# Altium PCB MCH_MAIN.PCBDOC (part 14 of 14)
Units mil, origin at the board's own origin, x right, y up, seen from the top; angles counter-clockwise.
Board outline 7110.66 x 2894.12 mil, 6 copper layers (Top Layer, Power, MidLayer1, MidLayer4, GND, Bottom Layer), stack 61.549 mil thick; 630 components, 1085 nets, 3940 pads, 2676 vias.
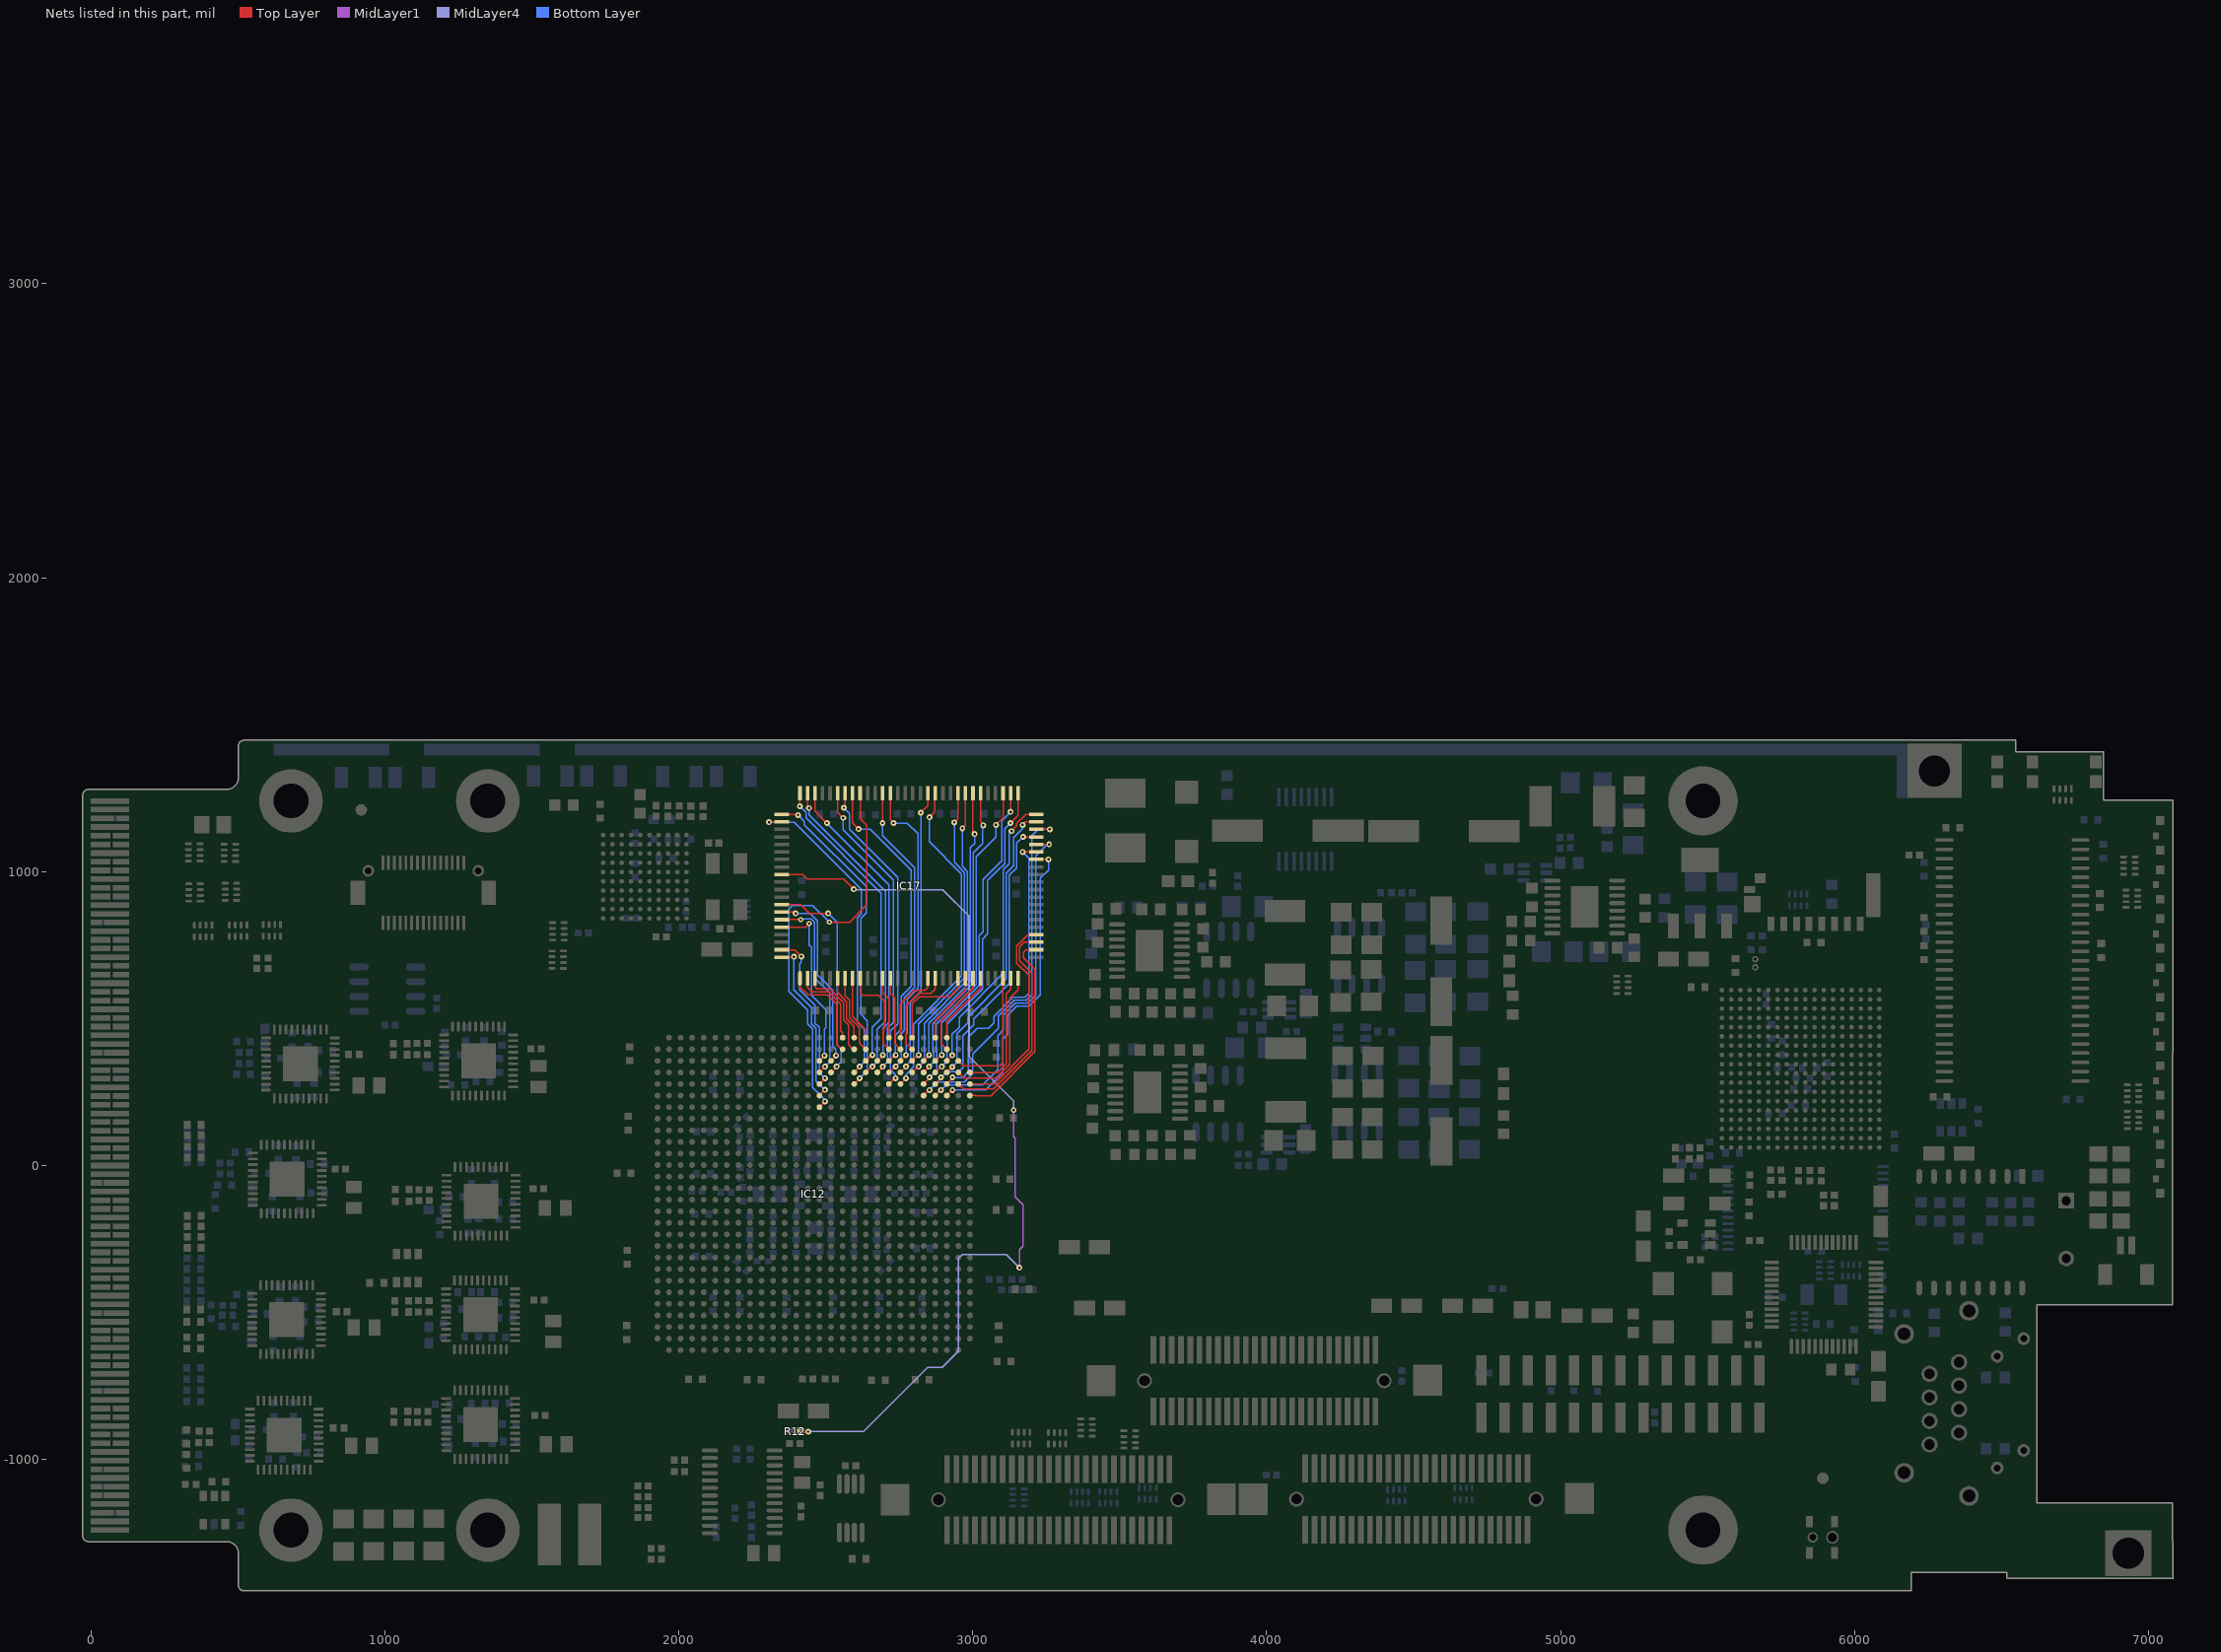
[diagram p18: the nets of this part, all layers, seen from the top]

## Via types
v1: diameter 20, hole 8, Top Layer to Bottom Layer, tented both sides, 1658 vias
v2: diameter 18, hole 8, Top Layer to Bottom Layer, tented both sides, 580 vias
v3: diameter 24, hole 10, Top Layer to Bottom Layer, tented both sides, 438 vias

## Nets (pads, with @x,y where several pads share a name; then routed paths per layer and width w, separated by ;. In a path a pad name is that pad's centre, name@x,y a point inside that pad or via, vN(x,y) a via of type N, cw(c..) or ccw(c..) an arc to the next point about the centre after c; other vN are vias at no path point) (continued)
ZBT_A3: IC12.E28 IC17.34 | length 701.1
  Top Layer w5: IC12.E28@2990.54,277.32 3007.8,277.32 ; 3007.88,277.24 3073.14,277.24 3191.5,395.6 3191.5,647.4 3150,688.9 3150,747.48 3187.64,785.12 3216.26,785.12 IC17.34@3216.47,785.33
ZBT_A4: IC12.E27 IC17.33 | length 744.4
  Top Layer w5: IC12.E27@2951.17,277.32 2951.17,277.16 2968.35,259.98 3070.02,259.98 3201.5,391.46 3201.5,654.21 3160,695.71 3160,743.34 3176.4,759.74 IC17.33@3216.47,759.74
ZBT_A5: IC12.F28 IC17.32 | length 686.9
  Top Layer w5: IC12.F28@2990.54,237.95 3010.06,237.95 3010.14,237.87 ; 3007.88,237.87 3010.14,237.87 ; IC17.32@3216.47,734.15 3182,734.15 3172.6,724.75 3172.6,706.9 3212,667.5 3212,387.82 3062.06,237.87 3010.14,237.87
ZBT_A6: IC12.F15 IC17.100 | length 565.1
  Top Layer w5: IC17.100@2350.32,708.56 2390.28,708.56 2391.81,710.09 v1(2391.81,710.31) ; IC12.F15@2478.73,237.95 v1@2497.35,256.57
  Bottom Layer w5: v1(2391.81,710.31) 2392.03,710.09 2392.03,596.97 2451.82,537.18 2451.82,482.02 2466.84,467.01 2466.84,288.07 v1(2497.35,257.56)
ZBT_A7: IC12.E15 IC17.99 | length 559.1
  Top Layer w5: IC17.99@2350.32,734.15 2394.98,734.15 2416.81,712.32 v1(2416.81,711.15) ; IC12.E15@2478.73,277.32 v1@2497.35,295.94
  Bottom Layer w5: v1(2416.81,711.15) 2416.81,712.32 2416.81,691.57 2411.72,686.48 2411.72,597.9 2464.29,545.33 2464.29,483.69 2478.65,469.34 2478.65,452.44 ; 2478.65,450.47 2478.65,452.44 ; v1(2497.35,296.93) 2478.65,315.63 2478.65,452.44
ZBT_A8: IC12.D18 IC17.82 | length 1105.4
  Top Layer w5: v1(2307,1167.9) 2308.29,1169.19 IC17.82@2350.32,1169.19 ; IC12.D18@2596.84,316.69 v1@2615.46,335.31
  Bottom Layer w5: v1(2307,1167.9) 2393.11,1167.9 2621.2,939.81 2621.2,856.64 2607,842.44 2607,489.08 2631.96,464.12 2631.96,352.8 v1(2615.46,336.3)
ZBT_A9: IC12.E18 IC17.81 | length 1125.3
  Top Layer w5: IC17.81@2350.32,1194.78 2403.63,1194.78 v1(2405.81,1192.6) ; v1@2612.51,292.99 IC12.E18@2596.84,277.32 v1@2615.46,295.94
  Bottom Layer w5: v1(2405.81,1192.6) 2427.45,1170.95 2427.45,1160.05 2638.6,948.9 2638.6,859.9 2619.3,840.6 2619.3,515.3 2641.96,492.64 2641.96,323.43 v1(2615.46,296.93)
ZBT_A10: IC12.F26 IC17.44 | length 1099.8
  Top Layer w5: v1@2927.2,253.35 IC12.F26@2911.8,237.95 v1@2930.42,256.57 ; IC17.44@3216.47,1041.23 v1(3257.96,1041.23)
  Bottom Layer w5: v1(2931.4,256.57) 3043.47,256.57 3102.75,315.85 3102.75,396.9 3102.75,399.9 3102.75,430.65 3119,446.9 3119,512.47 3148.93,542.4 3190.93,542.4 3230.1,581.57 3230.1,977.8 3257.96,1005.66 v1(3257.96,1041.23)
ZBT_A11: IC12.E26 IC17.45 | length 1025.7
  Top Layer w5: IC12.E26@2911.8,277.32 v1@2931.4,296.93 ; v1(3169.8,1066.82) IC17.45@3216.47,1066.82
  Bottom Layer w5: v1(2931.4,299.88) 2965.85,299.88 2984.55,318.58 2984.55,436.45 3015,466.9 3054,466.9 3071.5,484.4 3071.5,507.4 3136.5,572.4 3178.5,572.4 3191.5,585.4 3191.5,918.4 3191.09,918.81 3191.09,1045.54 3189.06,1047.57 v1(3169.8,1066.82)
ZBT_A12: IC12.F25 IC17.46 | length 1181.8
  Top Layer w5: v1@2888.1,253.62 IC12.F25@2872.43,237.95 v1@2891.05,256.57 ; IC17.46@3216.47,1092.41 v1(3259.93,1092.41)
  Bottom Layer w5: v1(2892.03,256.57) 2909.84,274.38 3034.28,274.38 3085.45,325.55 3085.45,402.9 3085.45,405.35 3085.45,442.35 3104,460.9 3104,511.62 3144.78,552.4 3186.78,552.4 3213.9,579.52 3213.9,1053.4 3252.91,1092.41 v1(3259.93,1092.41)
ZBT_A13: IC12.E25 IC17.47 | length 1041.3
  Top Layer w5: IC12.E25@2872.43,277.32 v1@2892.03,296.93 ; v1@2891.76,300.46 2893.02,301.71 v1@2893.02,305.78 ; v1(3171.35,1118.01) IC17.47@3216.47,1118.01
  Bottom Layer w5: v1@2892.03,296.93 v1(2892.03,299.88) 2910.97,318.81 2953.29,318.81 ; 2954.04,319.56 2953.29,318.81 ; v1(3171.35,1118.01) 3149.91,1096.56 3149.91,1012.49 3124.82,987.4 3124.82,619.32 3004.09,498.59 3004.09,479.01 2966.84,441.75 2966.84,332.36 2953.29,318.81
ZBT_A14: IC12.F24 IC17.48 | length 1254.8
  Top Layer w5: v1@2848.73,253.62 IC12.F24@2833.06,237.95 v1@2851.68,256.57 ; IC17.48@3216.47,1143.6 v1(3261.9,1143.6)
  Bottom Layer w5: v1(2852.66,256.57) 2879.47,283.38 2938.24,283.38 2938.99,284.13 2953.06,284.13 ; 2956.01,284.13 2953.06,284.13 ; v1(3261.9,1143.6) 3222.95,1143.6 3201.09,1121.73 3201.09,922.95 3201.5,922.54 3201.5,581.26 3182.64,562.4 3140.64,562.4 3087.15,508.91 3087.15,466.75 3000.3,379.9 3000.3,312.67 2971.76,284.13 2953.06,284.13
ZBT_A15: IC12.D26 IC17.49 | length 1022.4
  Top Layer w5: v1@2927.47,331.38 2911.8,315.71 v1@2930.42,334.33 ; v1(3169.59,1159.13) 3179.65,1169.19 IC17.49@3216.47,1169.19
  Bottom Layer w5: v1(2930.42,335.31) 2946.92,351.81 2946.92,448.75 2983,484.83 2983,504.3 3114.82,636.12 3114.82,810.28 3114.82,994.22 3139.91,1019.3 3139.91,1115.67 3169.59,1145.35 v1(3169.59,1159.13)
ZBT_A16: IC12.C26 IC17.50 | length 1007.8
  Top Layer w5: v1@2927.2,370.48 2911.8,355.08 v1@2930.42,373.7 ; v1(3132.19,1137.48) 3149.91,1155.19 3149.91,1164.19 3180.49,1194.78 IC17.50@3216.47,1194.78
  Bottom Layer w5: v1(2930.42,374.68) 2930.42,446.39 2954.86,470.84 2954.86,504.36 3104.82,654.32 3104.82,1007.1 3124.82,1027.1 3124.82,1130.11 v1(3132.19,1137.48)
ZBT_BW1: IC12.D16 IC17.93 | length 745.7
  Top Layer w5: IC17.93@2350.32,887.69 2415.44,887.69 2445.13,858 v1(2508.2,858) ; IC12.D16@2518.1,316.69 v1@2536.72,335.31
  Bottom Layer w5: v1@2508.8,857.4 2539.7,826.5 2539.7,409.1 2553.22,395.58 2553.22,379.6 ; v1(2536.72,336.3) 2553.22,352.8 2553.22,379.6 ; 2553.22,382.5 2553.22,379.6
ZBT_BW2: IC12.C16 IC17.94 | length 653.7
  Top Layer w5: IC17.94@2350.32,862.1 2393.79,862.1 v1(2397.94,857.95) ; IC12.C16@2517.03,356.97 IC12.C16@2517.03,360.21 ; IC12.C16@2518.1,356.06 v1@2536.72,374.68
  Bottom Layer w5: v1(2397.94,857.95) 2447.15,857.95 2472.5,832.6 2472.5,647.6 2484.6,635.5 ; 2482.1,638 2484.6,635.5 ; v1@2536.72,375.82 v1(2535.31,374.41) 2534.59,375.14 2534.59,396 2524.68,405.91 2524.68,595.42 2488.1,632 2484.6,635.5
ZBT_BW3: IC12.D15 IC17.95 | length 663.8
  Top Layer w5: IC17.95@2350.32,836.51 v2(2415.44,836.51) ; IC12.D15@2478.73,316.69 v1@2497.35,335.31
  Bottom Layer w5: v2(2415.44,836.51) 2418.33,839.4 2450.83,839.4 2462.5,827.73 2462.5,816.92 2462.5,638.3 2513.5,587.3 2513.5,352.45 v1(2497.35,336.3)
ZBT_BW4: IC12.C15 IC17.96 | length 644.4
  Top Layer w5: 2390.28,810.92 IC17.96@2350.32,810.92 2432.02,810.92 v2(2444,822.9) ; IC12.C15@2477.66,356.97 IC12.C15@2477.66,360.21 ; IC12.C15@2478.73,356.06 v1@2497.35,374.68
  Bottom Layer w5: v2(2444,822.9) 2443,821.9 2443,810.9 2443,750.9 2451,742.9 2451,579.5 2500.08,530.42 2500.08,467.97 2495.94,463.83 v1(2495.94,374.41) v1@2497.35,375.82
ZBT_CLK: IC17.89 R12.2 | length 3173.2
  Top Layer w6: IC17.89@2350.32,990.05 2420.95,990.05 2436.4,974.6 2561.1,974.6 v1(2595.8,939.9) ; R12.2@2413.72,-904.1 2415.42,-905.8 v1(2440.2,-905.8)
  MidLayer1 w6: v2(3139,188.9) 3139,97.9 3144,92.9 3144,-107.1 3171,-134.1 3171,-274.1 3159.18,-285.92 v1(3159.18,-347.79)
  MidLayer4 w6: v1(2440.2,-905.8) 2441.1,-904.9 2628.7,-904.9 2846.8,-686.8 2896.5,-686.8 2951.6,-631.7 2951.6,-315.1 2964.2,-302.5 3113.89,-302.5 v1(3159.18,-347.79) ; v1(2595.8,939.9) 2597.9,937.8 2898.1,937.8 2987.5,848.4 2987.5,370.84 3139,219.34 v2(3139,188.9)
ZBT_IO0: IC12.C25 IC17.52 | length 1024.4
  Top Layer w5: IC12.C25@2872.43,356.06 2892.03,375.67 v1(2894.99,375.67) ; v1(3128.87,1203.05) IC17.52@3128.87,1266.63
  Bottom Layer w5: v1(2894.99,375.67) 2894.99,484.92 3022,611.93 3022,781.3 3035.8,795.1 3035.8,973.84 3098.57,1036.61 3098.57,1172.75 v1(3128.87,1203.05) ; v1@2895.56,375.4 2896.82,376.65 v1@2900.89,376.65
ZBT_IO1: IC12.E24 IC17.53 | length 1117.5
  Top Layer w5: IC12.E24@2833.06,277.32 v1@2852.66,296.93 ; v1@2852.39,300.46 2853.65,301.71 v1@2853.65,305.78 ; v1(3079.04,1159.13) 3103.28,1183.37 IC17.53@3103.28,1266.63
  Bottom Layer w5: v1@2852.66,296.93 v1(2852.66,299.88) 2877.18,324.39 2877.18,386.23 2875.3,388.11 2875.3,417.01 ; 2875.3,425.86 2875.3,417.01 ; v1(3079.04,1159.13) 3079.04,1116.94 3012,1049.9 3012,616.08 2875.3,479.38 2875.3,417.01
ZBT_IO2: IC12.D24 IC17.56 | length 1062.8
  Top Layer w5: v1@2848.73,332.36 IC12.D24@2833.06,316.69 v1@2851.68,335.31 ; IC17.56@3026.51,1266.63 3026.51,1170.33 3035.73,1161.1 v1(3035.73,1157.16)
  Bottom Layer w5: v1(2851.68,336.3) 2868.18,352.8 2868.18,382.5 2863.49,387.19 2863.49,481.71 3002,620.22 3002,1008.73 3002,1063.9 3034.24,1096.14 3034.24,1155.66 v1(3035.73,1157.16)
ZBT_IO3: IC12.C24 IC17.57 | length 1005.3
  Top Layer w5: v1@2848.46,371.46 IC12.C24@2833.06,356.06 v1@2851.68,374.68 ; IC17.57@3000.92,1266.63 3000.92,1132.93 v1(3006.21,1127.64)
  Bottom Layer w5: v1(2851.68,375.67) 2851.68,484.04 2992,624.36 2992,991.9 2992,1081.9 3006,1095.9 3006,1127.43 v1(3006.21,1127.64)
ZBT_IO4: IC12.D23 IC17.58 | length 1049.9
  Top Layer w5: IC12.D23@2793.69,316.69 2813.29,336.3 v1(2816.25,336.3) ; v1(2964.87,1147.32) 2975.32,1157.78 IC17.58@2975.32,1266.63
  Bottom Layer w5: v1(2816.25,336.3) 2834.95,355 2834.95,422.91 ; v1@2816.82,336.03 2818.08,337.28 v1@2822.15,337.28 ; 2834.95,425.86 2834.95,422.91 ; v1(2964.87,1147.32) 2964.87,1017.58 2982,1000.45 2982,630.99 2834.95,483.93 2834.95,422.91
ZBT_IO5: IC12.C23 IC17.59 | length 1011.5
  Top Layer w5: IC12.C23@2793.69,356.06 2813.29,375.67 v1(2816.25,375.67) ; v1(2937.31,1167.01) 2949.73,1179.43 IC17.59@2949.73,1266.63
  Bottom Layer w5: v1(2816.25,375.67) 2816.25,437.67 2816.25,481.85 2972,637.6 2972,996.3 2937.31,1031 v1(2937.31,1167.01) ; v1@2816.82,375.4 2818.08,376.65 v1@2822.15,376.65
ZBT_IO6: IC12.E22 IC17.62 | length 1128
  Top Layer w5: IC12.E22@2754.32,277.32 v1@2772.94,295.94 ; v1(2852.66,1184.72) 2870.6,1202.65 2870.6,1264.26 IC17.62@2872.96,1266.63
  Bottom Layer w5: v1(2772.94,296.93) 2772.94,309.72 2798.44,335.22 2798.44,480.84 2962,644.4 2962,992.16 2852.66,1101.5 v1(2852.66,1184.72)
ZBT_IO7: IC12.D22 IC17.63 | length 989.8
  Top Layer w5: IC12.D22@2754.32,316.69 v1@2772.94,335.31 ; v1(2823.13,1200.47) 2847.37,1224.71 IC17.63@2847.37,1266.63
  Bottom Layer w5: v1(2772.94,336.3) 2772.94,339.25 2789.44,355.75 2789.44,391.8 2787.54,393.69 2787.54,556.02 2824,592.47 2824,686.23 2824,1199.6 v1(2823.13,1200.47)
ZBT_IO8: IC12.C22 IC17.68 | length 1001.2
  Top Layer w5: IC17.68@2719.42,1266.63 2719.42,1176.23 v1(2730.62,1165.04) ; IC12.C22@2754.32,356.06 v1@2772.94,374.68
  Bottom Layer w5: v1(2730.62,1165.04) 2777.86,1165.04 2814,1128.9 2814,665.42 2814,601.9 2777.54,565.44 2777.54,450.15 2773.92,446.53 2773.92,376.65 v1(2772.94,375.67)
ZBT_IO9: IC12.D21 IC17.69 | length 1035.7
  Top Layer w5: v1(2693.21,1165.04) 2693.83,1165.65 IC17.69@2693.83,1266.63 ; IC12.D21@2714.95,316.69 2734.55,336.3 v1@2737.51,336.3
  Bottom Layer w5: v1@2695.18,1163.08 v1(2693.21,1165.04) 2693.21,1122.69 2803,1012.9 2803,661.9 2803,605.9 2767.54,570.44 2767.54,459.48 2756.21,448.14 2756.21,355 v1@2738.15,336.95
  other v1: 2738.2,336.9
ZBT_IO10: IC12.G15 IC17.72 | length 1450.4
  Top Layer w5: IC12.G15@2478.73,198.58 v1@2497.35,217.2 ; v2(2512,827.9) 2580.4,827.9 2639.4,886.9 2639.4,1156.9 2617.06,1179.24 IC17.72@2617.06,1266.63
  Bottom Layer w5: 2374.31,733.21 2374.31,724.9 ; 2455.2,440.3 2455.2,437.7 ; v1(2497.35,218.19) 2497.35,223.75 2455.2,265.9 2455.2,437.7 ; v2(2512,827.9) 2512,828.23 2455.33,884.9 2386,884.9 2374.31,873.21 2374.31,724.9 ; 2374.31,724.9 2374.31,592.79 2438,529.1 2438,481.7 2455.2,464.5 2455.2,437.7
ZBT_IO11: IC12.C21 IC17.73 | length 1044.6
  Top Layer w5: IC17.73@2590.95,1266.56 2590.95,1165.85 2609.7,1147.1 v1@2609.7,1146 ; IC12.C21@2714.95,356.06 v1@2734.55,375.67
  Bottom Layer w5: v1(2611.4,1144.3) 2651.6,1144.3 2791,1004.9 2791,664.04 2791,608.9 2757.54,575.44 2757.54,463.62 2737.51,443.58 v1@2737.51,375.9
  other v1: 2738.4,375.9
ZBT_IO12: IC12.E21 IC17.74 | length 1100.8
  Top Layer w5: v1(2561.6,1216.9) 2565.88,1221.18 IC17.74@2565.88,1266.63 ; IC12.E21@2714.95,277.32 2734.55,296.93 v1(2737.51,296.93)
  Bottom Layer w5: v1(2561.6,1216.9) 2580.2,1198.3 2580.2,1144.1 2744.8,979.5 2744.8,682.32 2744.61,682.13 2744.61,482.18 2720.77,458.34 2720.77,325.24 2737.51,308.51 v1(2737.51,296.93) ; v1@2738.08,296.66 2739.34,297.91 v1@2743.41,297.91
ZBT_IO13: IC12.D20 IC17.75 | length 1050.2
  Top Layer w5: IC17.75@2540.28,1266.63 2540.28,1201.82 v1(2559.36,1182.75) ; IC12.D20@2675.58,316.69 v1@2694.2,335.31
  Bottom Layer w5: v1(2559.36,1182.75) 2559.36,1141.74 2730.2,970.9 2730.2,487.46 2710.7,467.95 2710.7,352.8 v1(2694.2,336.3)
ZBT_IO14: IC12.C20 IC17.78 | length 1030.3
  Top Layer w5: IC17.78@2463.51,1266.63 2463.51,1205.76 v1(2504.24,1165.04) ; IC12.C20@2675.58,356.06 v1@2694.2,374.68
  Bottom Layer w5: v1(2504.24,1165.04) 2714.87,954.41 2714.87,486.27 2695.18,466.58 ; v1(2694.2,375.67) 2694.2,442.6 2694.2,465.6 2695.18,466.58 ; 2695.18,466.22 2695.18,466.58
ZBT_IO15: IC12.D19 IC17.79 | length 1095
  Top Layer w5: IC17.79@2437.92,1266.63 2437.92,1221.51 v1(2443.21,1216.22) ; IC12.D19@2636.21,316.69 2655.81,336.3 v1(2658.76,336.3)
  Bottom Layer w5: v1(2443.21,1216.22) 2443.21,1192.1 2703.05,932.26 2703.05,490.68 2675.26,462.89 2675.26,352.8 v1(2658.76,336.3) ; v1@2659.34,336.03 2660.6,337.28 v1@2664.67,337.28
ZBT_IO16: IC12.A17 IC17.2 | length 285
  Top Layer w5: IC17.2@2437.92,636.71 2437.92,605.37 2452.9,590.39 2510.35,590.39 2551.47,549.27 2551.47,458.06 2557.39,452.14 IC12.A17@2557.39,434.88
ZBT_IO17: IC12.B18 IC17.3 | length 324.7
  Top Layer w5: IC17.3@2463.51,636.71 2463.51,607.34 2470.46,600.39 2514.49,600.39 2561.47,553.42 2561.47,494.52 2577.07,478.91 2577.07,411.1 2592.74,395.43 IC12.B18@2596.84,395.43
ZBT_IO18: IC12.A18 IC17.6 | length 225.3
  Top Layer w5: IC17.6@2540.28,636.71 2540.28,588.74 2571.47,557.56 2571.47,498.66 2596.76,473.37 2596.76,434.88 IC12.A18@2596.84,434.8
ZBT_IO19: IC12.B19 IC17.7 | length 270.5
  Top Layer w5: IC17.7@2565.88,636.71 2565.88,577.29 2581.47,561.7 2581.47,502.8 2614.18,470.09 2614.18,417.3 2624.57,406.91 2624.73,406.91 IC12.B19@2636.21,395.43
ZBT_IO20: IC12.A19 IC17.8 | length 220.4
  Top Layer w5: IC17.8@2591.47,636.71 2591.47,506.94 2636.13,462.28 2636.13,434.88 IC12.A19@2636.21,434.8
ZBT_IO21: IC12.B21 IC17.9 | length 319.1
  Top Layer w5: IC17.9@2617.06,636.71 2617.06,602.84 2617,602.79 2617,585.9 2624,578.9 2680.6,578.9 2700,559.5 2700,466.72 2695.18,461.9 2695.18,415.04 2702.6,407.61 2702.76,407.61 IC12.B21@2714.95,395.43
ZBT_IO22: IC12.A21 IC17.12 | length 210.7
  Top Layer w5: IC17.12@2693.83,636.71 2693.83,587.67 2714.87,566.63 2714.87,434.88 IC12.A21@2714.95,434.8
ZBT_IO23: IC12.B22 IC17.13 | length 255.7
  Top Layer w5: IC17.13@2719.42,636.71 2719.42,585.5 2734.55,570.37 2734.55,415.19 IC12.B22@2754.32,395.43
ZBT_IO24: IC12.A22 IC17.18 | length 263
  Top Layer w5: 2754.24,454.41 2754.24,456.37 ; IC12.A22@2754.32,434.8 2754.24,434.88 2754.24,456.37 ; IC17.18@2847.37,636.71 2847.37,606.6 2837.28,596.5 2802.2,596.5 2754.24,548.54 2754.24,456.37
ZBT_IO25: IC12.B23 IC17.19 | length 315.3
  Top Layer w5: IC12.B23@2793.69,395.43 2781.5,407.61 2781.34,407.61 2773.92,415.04 2773.92,544.61 2815.81,586.5 2858.06,586.5 2872.96,601.4 IC17.19@2872.96,636.71
ZBT_IO26: IC12.A23 IC17.22 | length 327.4
  Top Layer w5: IC12.A23@2793.61,434.88 IC12.A23@2793.69,434.8 2793.69,550.24 2818.25,574.8 2921.87,574.8 2949.73,602.66 IC17.22@2949.73,636.71
ZBT_IO27: IC12.A25 IC17.23 | length 268.8
  Top Layer w5: IC12.A25@2872.43,434.8 2872.35,434.88 2872.35,494.25 2975.32,597.22 IC17.23@2975.32,636.71 IC17.23@2975.32,612.5
ZBT_IO28: IC12.B26 IC17.24 | length 294.6
  Top Layer w5: IC12.B26@2911.8,395.43 2892.03,415.19 2892.03,493.78 3000.92,602.66 IC17.24@3000.92,636.71
ZBT_IO29: IC12.A26 IC17.25 | length 249.5
  Top Layer w5: IC12.A26@2911.8,434.8 2911.72,434.88 2911.72,489.84 3026.51,604.63 IC17.25@3026.51,636.71
ZBT_IO30: IC12.C27 IC17.28 | length 450.5
  Top Layer w5: IC12.C27@2951.17,356.06 2968.51,338.72 3091.62,338.72 3102.51,349.61 3102.51,635.93 IC17.28@3103.28,636.71
ZBT_IO31: IC12.D28 IC17.29 | length 432.3
  Top Layer w5: IC12.D28@2990.54,316.69 2990.62,316.61 3084.23,316.61 3114,346.38 3114,583.9 3128.87,598.77 IC17.29@3128.87,636.71
ZBT_IOP1: IC12.D25 IC17.51 | length 1081.1
  Top Layer w5: IC12.D25@2872.43,316.69 2892.03,336.3 v1(2894.99,336.3) ; v1(3128.25,1165.04) 3154.46,1191.24 IC17.51@3154.46,1266.63
  Bottom Layer w5: v1(2894.99,336.3) 2913.69,355 2913.69,422.91 ; v1@2895.56,336.03 2896.82,337.28 v1@2900.89,337.28 ; 2913.69,425.86 2913.69,422.91 ; 2913.69,434.86 2913.69,438.66 ; v1(3128.25,1165.04) 3108.57,1145.35 3108.57,1027.5 3080.88,999.82 3079,997.93 3051.2,970.13 3051.2,787.9 3033.1,769.8 3033.1,601.71 2913.69,482.3 2913.69,438.66 ; 2913.69,422.91 2913.69,438.66
ZBT_IOP2: IC12.C19 IC17.80 | length 1055.2
  Top Layer w5: v1(2411.72,1222.12) 2412.33,1222.74 IC17.80@2412.33,1266.63 ; IC12.C19@2636.21,356.06 2655.81,375.67 v1(2658.76,375.67)
  Bottom Layer w5: v1(2411.72,1222.12) 2433.21,1200.63 2433.21,1182.55 2689.06,926.7 2689.06,500.2 2658.76,469.9 v1(2658.76,375.67) ; v1@2659.34,375.4 2660.6,376.65 v1@2664.67,376.65
ZBT_IOP3: IC12.B17 IC17.1 | length 343
  Top Layer w5: IC17.1@2412.33,636.71 2412.33,607.34 2439.28,580.39 2506.21,580.39 2537.7,548.89 2537.7,411.1 2553.37,395.43 IC12.B17@2557.47,395.43
ZBT_IOP4: IC12.D27 IC17.30 | length 507
  Top Layer w5: IC12.D27@2951.17,316.69 2951.17,316.53 2970.77,296.93 3078.68,296.93 3126,344.24 3126,569.44 3154.46,597.9 IC17.30@3154.46,636.71
pads on no net: CN1.0 CN2.2mate CN2.3mate CN2.6 CN2.8 CN2.44 CN2.45 CN2.47 CN2.48 CN2.50 CN2.51 CN2.53 CN2.54 CN2.59 CN2.60 CN2.62 CN2.63 CN2.65 CN2.66 CN2.68 CN2.69 CN2.74 CN2.75 CN2.77 CN2.78 CN2.80 CN2.81 CN2.87 CN2.88 CN2.90 CN2.91 CN2.93 CN2.94 CN2.96 CN2.97 CN2.132 CN2.133 CN2.138@102.37,-295.3 CN2.165 CN2.166 CN2.167 CN2.168 CN2.169 CN2.lmate CN3.4 CN3.5 CN3.7 CN3.8 CN4. CN5. CN6.0 CN6.25 CN6.26 CN6.27 CN6.28 CN10.G3 CN11. IC1.1 IC1.4 IC1.6 IC4.14 IC4.16 IC4.17 IC4.18 IC4.22 IC4.26 IC4.27 IC4.34 IC4.35 IC4.43 IC4.45 IC5.A12 IC5.A13 IC5.A18 IC5.B2 IC5.B11 IC5.B18 IC5.C3 IC5.C11 IC5.C18 IC5.D3 IC5.D18 IC5.E18 IC5.F11 IC5.F18 IC5.G2 IC5.G7 IC5.G9 IC5.H2 IC5.H3 IC5.H4 IC5.H5 IC5.H6 IC5.J12 IC5.J13 IC5.J14 IC5.J15 IC5.K13 IC5.K17 IC5.L14 IC5.L16 IC5.N1 IC5.N2 IC5.N3 IC5.N4 IC5.P2 IC5.P4 IC5.R2 IC5.R15 IC5.U13 IC6.40 IC7.40 IC9.C1 IC9.H5 IC9.K3 IC9.K4 IC10.1 IC10.4 IC10.5 IC10.8 IC10.9 IC10.10 IC10.15 IC10.17 IC10.18 IC10.19 IC10.20 IC10.21 IC10.22 IC10.23 IC10.24 IC10.25 IC10.26 IC10.27 IC10.28 IC12.AF27 IC12.H22 IC13.3 IC17.38 IC17.39 IC17.42 IC17.43 IC17.83 IC17.84 IC18.1 IC18.2 IC18.6 IC18.7 IC18.8 IC23_DP0.18 IC23_DP1.18 IC23_DP2.18 IC23_DP3.18 IC23_DP4.18 IC23_DP5.18 IC23_DP6.18 IC23_DP7.18 RP2.4 RP2.5 RP3.6 RP16.3 RP16.4 RP16.5 RP16.6 RP17.3 RP17.4 RP17.5 RP17.6 RP20.5 RP20.6 RP26.4 RP26.5 RP27.4 RP27.5 S1. Tr1.4 Tr1.5 Tr1.12 Tr1.13 U1.4